# Altium PCB 0020-03_FFT2G.PcbDoc (part 7 of 16)
Units mm, origin at the board's own origin, x right, y up, seen from the top; angles counter-clockwise.
Board outline 195 x 104.5 mm, 12 copper layers (Top Layer, GND1, LVDS1, PWR1, LVDS2, PWR2, LVDS3, PWR3, SIG1, SIG2, GND2, Bottom Layer), stack 1.422 mm thick; 721 components, 650 nets, 4014 pads, 3497 vias.
Unrouted connection lines stored in the file: 78.
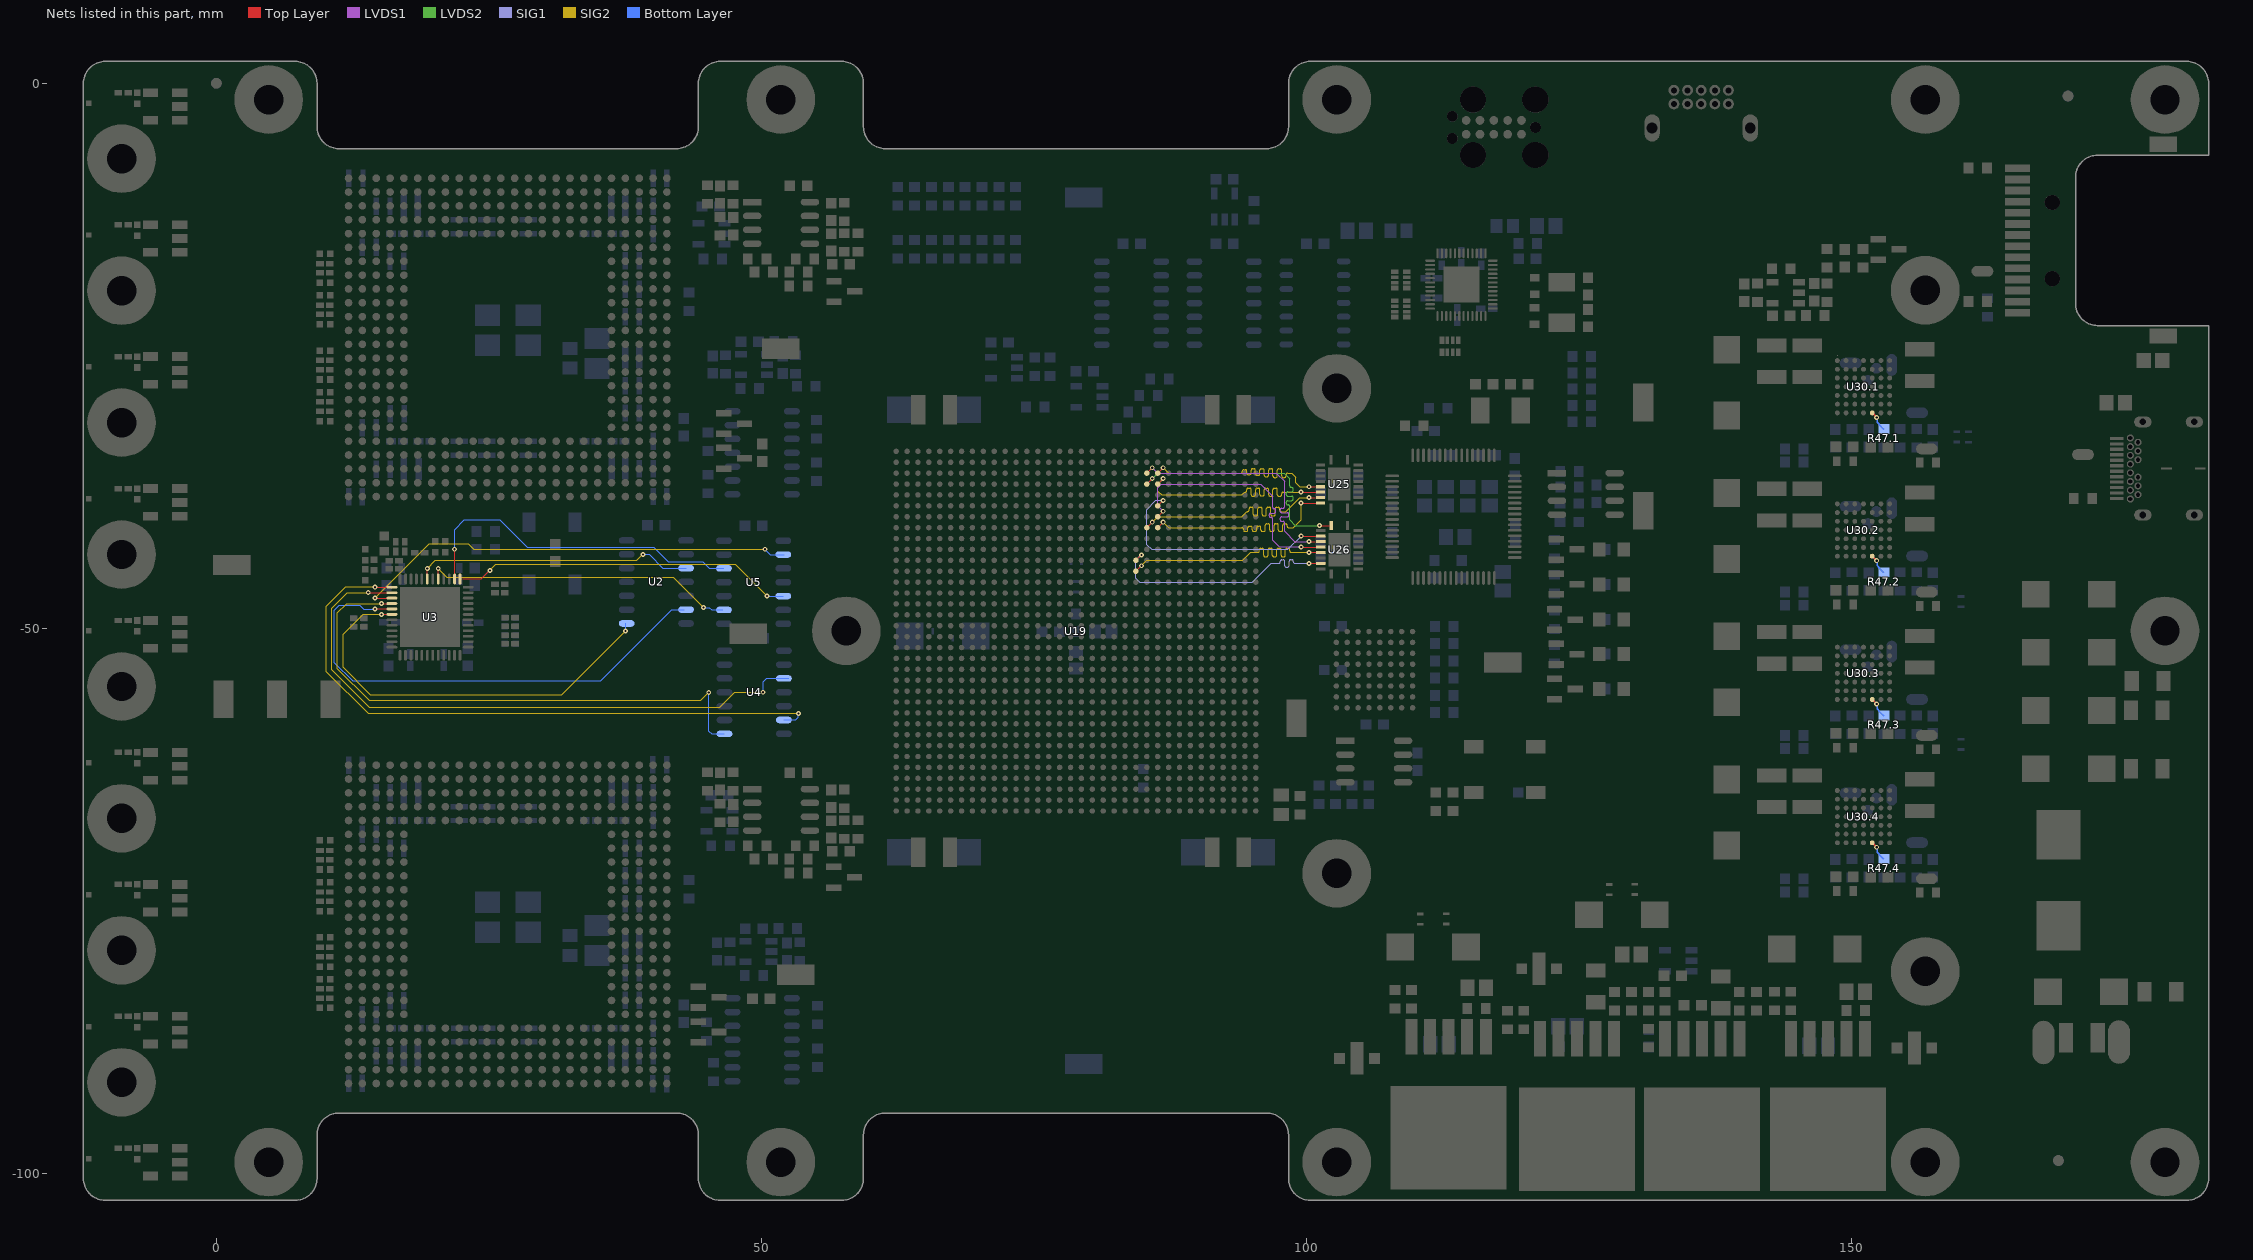
[diagram p17: the nets of this part, all layers, seen from the top]

## Via types
v1: diameter 0.45, hole 0.2, Top Layer to Bottom Layer, tented both sides, 3249 vias
v2: diameter 1, hole 0.5, Top Layer to Bottom Layer, tented both sides, 192 vias
v3: diameter 0.5, hole 0.2, Top Layer to Bottom Layer, tented both sides, 34 vias
v4: diameter 0.6, hole 0.3, Top Layer to Bottom Layer, tented both sides, 12 vias
v5: diameter 0.6, hole 0.2, Top Layer to Bottom Layer, tented both sides, 6 vias
v6: diameter 0.45/0.45/0.45/0.45/0.45/0.45/0.45 (per signal layer), hole 0.2, Top Layer to Bottom Layer, tented both sides, 4 vias

## Nets (pads, with @x,y where several pads share a name; then routed paths per layer and width w, separated by ;. In a path a pad name is that pad's centre, name@x,y a point inside that pad or via, vN(x,y) a via of type N, cw(c..) or ccw(c..) an arc to the next point about the centre after c; other vN are vias at no path point) (continued)
FPGA_USB_D4: U19.AM10 U25.6 | length 21.6
  Top Layer w0.1: U19.AM10@86.375,-35.78 v1(86.875,-35.28) ; v1(100.241,-37.027) U25.6@101.315,-37.027
  SIG2 w0.1: v1(86.875,-35.28) 87.375,-35.78 93.946,-35.78 94.006,-35.78 ccw(c94.006,-35.64) 94.146,-35.64 94.146,-35.59 cw(c94.286,-35.59) 94.286,-35.45 94.406,-35.45 cw(c94.406,-35.59) 94.546,-35.59 94.546,-35.78 ccw(c94.675,-35.78) 94.675,-35.908 94.818,-35.908 ccw(c94.818,-35.78) 94.946,-35.78 94.946,-35.52 cw(c95.086,-35.52) 95.086,-35.38 95.206,-35.38 cw(c95.206,-35.52) 95.346,-35.52 95.346,-35.78 95.346,-35.84 ccw(c95.486,-35.84) 95.486,-35.98 95.606,-35.98 ccw(c95.606,-35.84) 95.746,-35.84 95.746,-35.78 95.746,-35.52 cw(c95.886,-35.52) 95.886,-35.38 96.006,-35.38 cw(c96.006,-35.52) 96.146,-35.52 96.146,-35.78 96.146,-35.97 ccw(c96.286,-35.97) 96.286,-36.11 96.406,-36.11 ccw(c96.406,-35.97) 96.546,-35.97 96.546,-35.78 96.546,-35.52 cw(c96.686,-35.52) 96.686,-35.38 96.806,-35.38 cw(c96.806,-35.52) 96.946,-35.52 96.946,-35.78 96.946,-36.04 ccw(c97.086,-36.04) 97.086,-36.18 97.206,-36.18 ccw(c97.206,-36.04) 97.346,-36.04 97.346,-35.78 97.346,-35.52 cw(c97.486,-35.52) 97.486,-35.38 97.606,-35.38 cw(c97.606,-35.52) 97.746,-35.52 97.746,-35.78 97.746,-36.04 ccw(c97.886,-36.04) 97.886,-36.18 98.006,-36.18 ccw(c98.006,-36.04) 98.146,-36.04 98.146,-35.92 cw(c98.286,-35.92) 98.286,-35.78 98.468,-35.78 98.651,-35.78 99.035,-36.164 99.035,-36.638 99.425,-37.027 v1(100.241,-37.027)
FPGA_USB_D5: U19.AL10 U25.7 | length 22.1
  Top Layer w0.1: U19.AL10@86.375,-36.78 v1(86.875,-36.28) ; v1@99.538,-37.527 U25.7@101.315,-37.527
  SIG2 w0.1: v1(86.875,-36.28) 86.375,-36.78 86.375,-37.423 86.732,-37.78 94.089,-37.78 94.349,-37.52 94.409,-37.52 ccw(c94.409,-37.38) 94.549,-37.38 94.549,-37.289 cw(c94.689,-37.289) 94.689,-37.149 94.809,-37.149 cw(c94.809,-37.289) 94.949,-37.289 94.949,-37.52 94.949,-37.751 ccw(c95.089,-37.751) 95.089,-37.891 95.209,-37.891 ccw(c95.209,-37.751) 95.349,-37.751 95.349,-37.52 95.349,-37.289 cw(c95.489,-37.289) 95.489,-37.149 95.609,-37.149 cw(c95.609,-37.289) 95.749,-37.289 95.749,-37.52 95.749,-37.736 ccw(c95.889,-37.736) 95.889,-37.876 96.009,-37.876 ccw(c96.009,-37.736) 96.149,-37.736 96.149,-37.52 96.149,-37.289 cw(c96.289,-37.289) 96.289,-37.149 96.409,-37.149 cw(c96.409,-37.289) 96.549,-37.289 96.549,-37.52 96.549,-37.751 ccw(c96.689,-37.751) 96.689,-37.891 96.809,-37.891 ccw(c96.809,-37.751) 96.949,-37.751 96.949,-37.52 96.949,-37.289 cw(c97.089,-37.289) 97.089,-37.149 97.209,-37.149 cw(c97.209,-37.289) 97.349,-37.289 97.349,-37.52 97.349,-37.751 ccw(c97.489,-37.751) 97.489,-37.891 97.609,-37.891 ccw(c97.609,-37.751) 97.749,-37.751 97.749,-37.66 cw(c97.889,-37.66) 97.889,-37.52 98.01,-37.52 v1(99.53,-37.52)
FPGA_USB_D6: U19.AG11 U25.8 | length 21.7
  Top Layer w0.1: U19.AG11@85.375,-40.78 v1(85.875,-40.28) ; v1(100.241,-38.027) U25.8@101.315,-38.027
  SIG2 w0.1: v1(85.875,-40.28) 86.375,-39.78 94.08,-39.78 94.555,-39.305 94.615,-39.305 ccw(c94.615,-39.165) 94.755,-39.165 94.755,-39.045 cw(c94.895,-39.045) 94.895,-38.905 95.015,-38.905 cw(c95.015,-39.045) 95.155,-39.045 95.155,-39.305 95.155,-39.565 ccw(c95.295,-39.565) 95.295,-39.705 95.415,-39.705 ccw(c95.415,-39.565) 95.555,-39.565 95.555,-39.305 95.555,-39.045 cw(c95.695,-39.045) 95.695,-38.905 95.815,-38.905 cw(c95.815,-39.045) 95.955,-39.045 95.955,-39.305 95.955,-39.565 ccw(c96.095,-39.565) 96.095,-39.705 96.215,-39.705 ccw(c96.215,-39.565) 96.355,-39.565 96.355,-39.305 96.355,-39.045 cw(c96.495,-39.045) 96.495,-38.905 96.615,-38.905 cw(c96.615,-39.045) 96.755,-39.045 96.755,-39.305 96.755,-39.565 ccw(c96.895,-39.565) 96.895,-39.705 97.015,-39.705 ccw(c97.015,-39.565) 97.155,-39.565 97.155,-39.305 97.155,-39.045 cw(c97.295,-39.045) 97.295,-38.905 97.415,-38.905 cw(c97.415,-39.045) 97.555,-39.045 97.555,-39.165 ccw(c97.695,-39.165) 97.695,-39.305 97.909,-39.305 98.137,-39.305 99.415,-38.027 v1(100.241,-38.027)
FPGA_USB_D7: U19.AG10 U25.9 | length 22.1
  Top Layer w0.1: U19.AG10@86.375,-40.78 v1(86.875,-40.28) ; v1@99.538,-38.527 U25.9@101.315,-38.527
  SIG2 w0.1: v1(86.875,-40.28) 87.375,-40.78 94.048,-40.78 94.108,-40.78 cw(c94.108,-40.92) 94.248,-40.92 94.248,-40.993 ccw(c94.388,-40.993) 94.388,-41.133 94.508,-41.133 ccw(c94.508,-40.993) 94.648,-40.993 94.648,-40.78 cw(c94.773,-40.78) 94.773,-40.655 94.923,-40.655 cw(c94.923,-40.78) 95.048,-40.78 95.048,-40.993 ccw(c95.188,-40.993) 95.188,-41.133 95.308,-41.133 ccw(c95.308,-40.993) 95.448,-40.993 95.448,-40.78 cw(c95.588,-40.78) 95.588,-40.64 95.708,-40.64 cw(c95.708,-40.78) 95.848,-40.78 95.848,-40.993 ccw(c95.988,-40.993) 95.988,-41.133 96.108,-41.133 ccw(c96.108,-40.993) 96.248,-40.993 96.248,-40.78 96.248,-40.566 cw(c96.388,-40.566) 96.388,-40.426 96.508,-40.426 cw(c96.508,-40.566) 96.648,-40.566 96.648,-40.78 96.648,-40.993 ccw(c96.788,-40.993) 96.788,-41.133 96.908,-41.133 ccw(c96.908,-40.993) 97.048,-40.993 97.048,-40.78 97.048,-40.566 cw(c97.188,-40.566) 97.188,-40.426 97.308,-40.426 cw(c97.308,-40.566) 97.448,-40.566 97.448,-40.78 97.448,-40.993 ccw(c97.588,-40.993) 97.588,-41.133 97.708,-41.133 ccw(c97.708,-40.993) 97.848,-40.993 97.848,-40.78 97.848,-40.566 cw(c97.988,-40.566) 97.988,-40.426 98.108,-40.426 cw(c98.108,-40.566) 98.248,-40.566 98.248,-40.64 ccw(c98.388,-40.64) 98.388,-40.78 98.569,-40.78 98.821,-40.78 99.53,-40.071 v1(99.53,-38.52)
FPGA_USB_OEN: U19.AD12 U26.8 | length 22.4
  Top Layer w0.1: U19.AD12@84.375,-43.78 v1(84.875,-43.28) ; v1(100.251,-44.06) U26.8@101.324,-44.06
  SIG1 w0.1: v1(84.875,-43.28) 84.375,-43.78 84.375,-45.431 84.724,-45.78 95.066,-45.78 96.786,-44.06 97.426,-44.06 97.486,-44.06 ccw(c97.486,-43.92) 97.626,-43.92 97.626,-43.862 cw(c97.766,-43.862) 97.766,-43.722 97.886,-43.722 cw(c97.886,-43.862) 98.026,-43.862 98.026,-44.06 98.026,-44.257 ccw(c98.166,-44.257) 98.166,-44.397 98.286,-44.397 ccw(c98.286,-44.257) 98.426,-44.257 98.426,-44.06 98.426,-43.862 cw(c98.566,-43.862) 98.566,-43.722 98.686,-43.722 cw(c98.686,-43.862) 98.826,-43.862 98.826,-43.92 ccw(c98.966,-43.92) 98.966,-44.06 99.357,-44.06 v1(100.251,-44.06)
FPGA_USB_RDN: U19.AM11 U26.4 | length 23.6
  Top Layer w0.1: U19.AM11@85.375,-35.78 v1(85.875,-35.28) ; v1(100.251,-42.06) U26.4@101.324,-42.06
  LVDS1 w0.1: v1(85.875,-35.28) 86.375,-35.78 97.254,-35.78 98.01,-36.536 98.01,-38.72 98.01,-38.857 cw(c97.87,-38.857) 97.87,-38.997 97.75,-38.997 ccw(c97.75,-39.137) 97.61,-39.137 97.61,-39.257 ccw(c97.75,-39.257) 97.75,-39.397 98.01,-39.397 98.27,-39.397 cw(c98.27,-39.537) 98.41,-39.537 98.41,-39.657 cw(c98.27,-39.657) 98.27,-39.797 98.01,-39.797 97.75,-39.797 ccw(c97.75,-39.937) 97.61,-39.937 97.61,-40.057 ccw(c97.75,-40.057) 97.75,-40.197 97.87,-40.197 cw(c97.87,-40.337) 98.01,-40.337 98.01,-40.397 98.01,-41.113 98.958,-42.06 v1(100.251,-42.06)
FPGA_USB_RXFN: U19.AL11 U26.1 | length 23.5
  Top Layer w0.1: U19.AL11@85.375,-36.78 v1(85.875,-36.28) ; v1(101.226,-40.585) U26.1@102.299,-40.585
  LVDS2 w0.1: v1(85.875,-36.28) 86.375,-35.78 97.991,-35.78 98.493,-36.282 98.493,-36.892 98.493,-36.952 ccw(c98.633,-36.952) 98.633,-37.092 98.667,-37.092 cw(c98.667,-37.232) 98.807,-37.232 98.807,-37.352 cw(c98.667,-37.352) 98.667,-37.492 98.493,-37.492 98.319,-37.492 ccw(c98.319,-37.632) 98.179,-37.632 98.179,-37.752 ccw(c98.319,-37.752) 98.319,-37.892 98.493,-37.892 98.667,-37.892 cw(c98.667,-38.032) 98.807,-38.032 98.807,-38.152 cw(c98.667,-38.152) 98.667,-38.292 98.493,-38.292 98.319,-38.292 ccw(c98.319,-38.432) 98.179,-38.432 98.179,-38.552 ccw(c98.319,-38.552) 98.319,-38.692 98.353,-38.692 cw(c98.353,-38.832) 98.493,-38.832 98.493,-39.076 98.493,-40.067 99.011,-40.585 v1(101.226,-40.585)
FPGA_USB_SIWUA: U19.AC12 U26.6 | length 22.1
  Top Layer w0.1: U19.AC12@84.375,-44.78 v1(84.875,-44.28) ; v1(100.251,-43.06) U26.6@101.324,-43.06
  SIG2 w0.1: v1(84.875,-44.28) 85.375,-43.78 94.196,-43.78 94.916,-43.06 95.496,-43.06 95.556,-43.06 ccw(c95.556,-42.92) 95.696,-42.92 95.696,-42.816 cw(c95.836,-42.816) 95.836,-42.676 95.956,-42.676 cw(c95.956,-42.816) 96.096,-42.816 96.096,-43.06 96.096,-43.304 ccw(c96.236,-43.304) 96.236,-43.444 96.356,-43.444 ccw(c96.356,-43.304) 96.496,-43.304 96.496,-43.06 96.496,-42.816 cw(c96.636,-42.816) 96.636,-42.676 96.756,-42.676 cw(c96.756,-42.816) 96.896,-42.816 96.896,-43.06 96.896,-43.304 ccw(c97.036,-43.304) 97.036,-43.444 97.156,-43.444 ccw(c97.156,-43.304) 97.296,-43.304 97.296,-43.06 97.296,-42.816 cw(c97.436,-42.816) 97.436,-42.676 97.556,-42.676 cw(c97.556,-42.816) 97.696,-42.816 97.696,-43.06 97.696,-43.304 ccw(c97.836,-43.304) 97.836,-43.444 97.956,-43.444 ccw(c97.956,-43.304) 98.096,-43.304 98.096,-43.06 98.096,-42.816 cw(c98.236,-42.816) 98.236,-42.676 98.356,-42.676 cw(c98.356,-42.816) 98.496,-42.816 98.496,-42.92 ccw(c98.636,-42.92) 98.636,-43.06 98.874,-43.06 v1(100.251,-43.06)
FPGA_USB_TXEN: U19.AJ10 U26.3 | length 22.4
  Top Layer w0.1: U19.AJ10@86.375,-38.78 v1(86.875,-38.28) ; v1@99.547,-41.56 U26.3@101.324,-41.56
  SIG1 w0.1: v1(86.875,-38.28) 86.211,-38.28 85.375,-39.115 85.375,-42.331 85.824,-42.78 98.312,-42.78 v1(99.54,-41.552)
FPGA_USB_WRN: U19.AH10 U26.5 | length 23.8
  Top Layer w0.1: U19.AH10@86.375,-39.78 v1(86.875,-39.28) ; v1@99.547,-42.56 U26.5@101.324,-42.56
  LVDS1 w0.1: v1(86.875,-39.28) 86.375,-38.78 86.375,-37.122 86.718,-36.78 95.816,-36.78 96.914,-37.878 96.914,-38.644 96.914,-38.901 ccw(c97.054,-38.901) 97.054,-39.041 97.078,-39.041 cw(c97.078,-39.181) 97.218,-39.181 97.218,-39.301 cw(c97.078,-39.301) 97.078,-39.441 96.914,-39.441 96.75,-39.441 ccw(c96.75,-39.581) 96.61,-39.581 96.61,-39.701 ccw(c96.75,-39.701) 96.75,-39.841 96.774,-39.841 cw(c96.774,-39.981) 96.914,-39.981 96.914,-40.041 96.914,-40.162 96.914,-41.942 97.524,-42.552 v1(99.54,-42.552)
FREQ.1: R47.1.2 U30.1.E1 | length 1.9
  Top Layer w0.15: U30.1.E1@151.935,-30.249 v1(152.346,-30.661)
  Bottom Layer w0.15: v1(152.346,-30.661) 152.388,-30.703 152.388,-31.111 152.576,-31.299 152.576,-31.349 152.951,-31.724 R47.1.2@153.001,-31.724
FREQ.2: R47.2.2 U30.2.E1 | length 1.9
  Top Layer w0.15: U30.2.E1@151.935,-43.398 v1(152.346,-43.81)
  Bottom Layer w0.15: v1(152.346,-43.81) 152.388,-43.852 152.388,-44.26 152.576,-44.448 152.576,-44.498 152.951,-44.873 R47.2.2@153.001,-44.873
FREQ.3: R47.3.2 U30.3.E1 | length 1.9
  Top Layer w0.15: U30.3.E1@151.935,-56.548 v1(152.346,-56.959)
  Bottom Layer w0.15: v1(152.346,-56.959) 152.388,-57.002 152.388,-57.409 152.576,-57.597 152.576,-57.647 152.951,-58.022 R47.3.2@153.001,-58.022
FREQ.4: R47.4.2 U30.4.E1 | length 1.9
  Top Layer w0.15: U30.4.E1@151.935,-69.697 v1(152.346,-70.108)
  Bottom Layer w0.15: v1(152.346,-70.108) 152.388,-70.151 152.388,-70.558 152.576,-70.746 152.576,-70.796 152.951,-71.171 R47.4.2@153.001,-71.171
FS_BUF_CSN: U3.14 U4.3 | length 56.7
  Top Layer w0.1: v1(13.936,-46.741) U3.14@16.106,-46.741
  SIG2 w0.1: v1(13.936,-46.741) 12.027,-46.741 10.609,-48.159 10.609,-53.838 14.034,-57.263 46.182,-57.263 47.565,-55.88 v1(50.157,-55.88)
  Bottom Layer w0.1: v1(50.157,-55.88) 50.157,-54.94 50.478,-54.619 U4.3@52.073,-54.619 U4.3@52.511,-54.619
FS_BUF_LD: U3.2 U5.12 | length 31.5
  Top Layer w0.1: U3.2@21.856,-45.491 v1(21.856,-42.764)
  Bottom Layer w0.1: v1(21.856,-42.764) 21.856,-40.961 22.75,-40.067 26.001,-40.067 28.516,-42.581 40.143,-42.581 41.464,-43.902 44.618,-43.902 45.235,-44.519 U5.12@46.573,-44.519
FS_BUF_MISO: U3.15 U5.2 | length 41.6
  Top Layer w0.1: v1(14.551,-47.241) U3.15@16.106,-47.241
  SIG2 w0.1: v1(14.551,-47.241) 19.527,-42.265 23.12,-42.265 23.614,-42.759 v1(50.33,-42.759)
  Bottom Layer w0.1: v1(50.33,-42.759) 50.82,-43.249 U5.2@52.023,-43.249 U5.2@52.123,-43.249
FS_BUF_MOSI: U3.16 U4.8 | length 51.2
  Top Layer w0.1: v1(15.148,-47.741) U3.16@16.106,-47.741
  SIG2 w0.1: v1(15.148,-47.741) 11.942,-47.741 11.092,-48.592 11.092,-53.711 14.008,-56.628 44.444,-56.628 v1(45.18,-55.892)
  Bottom Layer w0.1: v1(45.18,-55.892) 45.18,-59.441 45.438,-59.699 U4.8@46.623,-59.699
FS_BUF_PDN: U2.8 U3.18 | length 38.3
  Top Layer w0.1: v1(15.148,-48.741) U3.18@16.106,-48.741
  SIG2 w0.1: v1(15.148,-48.741) 14.573,-48.741 14.566,-48.735 13.468,-48.735 11.625,-50.578 11.625,-53.584 14.135,-56.094 31.712,-56.094 v1(37.554,-50.252)
  Bottom Layer w0.1: U2.8@37.548,-49.574 37.548,-50.246 v1(37.554,-50.252)
FS_BUF_REFMON: U3.1 U5.5 | length 31.4
  Top Layer w0.1: U3.1@22.356,-45.491 24.316,-45.491 v1(25.105,-44.702)
  SIG2 w0.1: v1(25.105,-44.702) 25.651,-44.156 47.628,-44.156 v1(50.531,-47.059)
  Bottom Layer w0.1: v1(50.531,-47.059) U5.5@52.023,-47.059
FS_BUF_RSTN: U2.6 U3.17 | length 45.9
  Top Layer w0.1: v1(14.551,-48.241) U3.17@16.106,-48.241
  Bottom Layer w0.1: v1(14.551,-48.241) 14.547,-48.246 13.5,-48.246 13.17,-47.915 11.281,-47.915 10.833,-48.364 10.833,-53.173 12.509,-54.849 35.254,-54.849 41.8,-48.304 U2.6@42.923,-48.304
FS_BUF_SCK: U3.13 U4.6 | length 59.5
  Top Layer w0.1: v1(14.551,-46.241) U3.13@16.106,-46.241
  SIG2 w0.1: v1(14.551,-46.241) 14.524,-46.214 11.869,-46.214 10.101,-47.982 10.101,-53.99 13.939,-57.828 v1(53.408,-57.828)
  Bottom Layer w0.1: U4.6@52.073,-58.429 53.179,-58.429 53.408,-58.2 v1(53.408,-57.828)
FS_BUF_STATUS: U3.5 U5.9 | length 28.6
  Top Layer w0.1: U3.5@20.356,-45.491 v1(20.356,-44.533)
  SIG2 w0.1: v1(20.356,-44.533) 21.148,-45.324 41.904,-45.324 v1(44.698,-48.119)
  Bottom Layer w0.1: v1(44.698,-48.119) 45.222,-48.119 45.432,-48.329 U5.9@46.473,-48.329
FS_BUF_SYNCN: U2.3 U3.7 | length 25.8
  Top Layer w0.1: U3.7@19.356,-45.491 v1(19.356,-44.533)
  SIG2 w0.1: v1(19.356,-44.533) 20.099,-43.79 38.585,-43.79 v1(39.133,-43.242)
  Bottom Layer w0.1: v1(39.133,-43.242) 39.717,-43.242 40.969,-44.494 U2.3@43.098,-44.494